# Altium PCB ANGE.PcbDoc (continued)
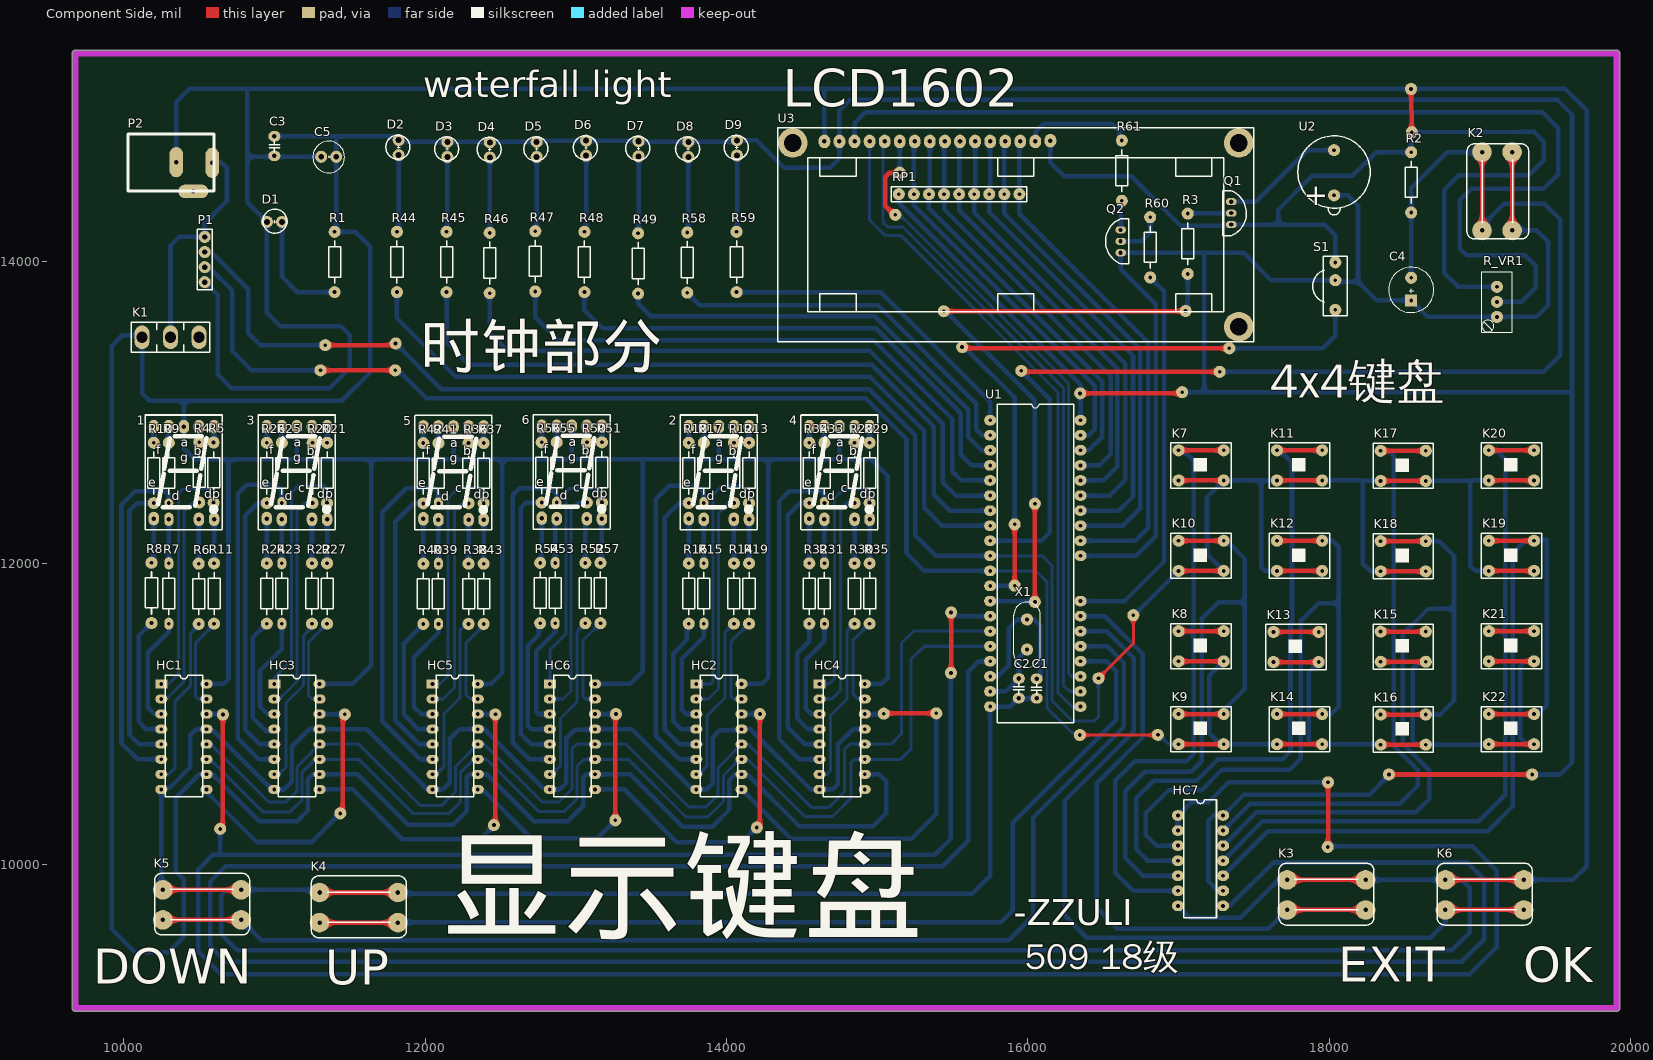
[diagram p0: Component Side view]
## Nets (pads, with @x,y where several pads share a name; then routed paths per layer and width w, separated by ;. In a path a pad name is that pad's centre, name@x,y a point inside that pad or via, vN(x,y) a via of type N, cw(c..) or ccw(c..) an arc to the next point about the centre after c; other vN are vias at no path point)
1S0: HC1.15 R11.1 | length 612.6
  Bottom Layer w20: HC1.15 10495,11100 10478,11117 10478,11474 10600,11596 R11.1
1S1: HC1.1 R5.1 | length 1652.2
  Bottom Layer w20: HC1.1 10299,11200 10363,11264 10363,12464 10393,12494 10553,12494 10597,12450 R5.1
1S2: HC1.2 R4.1 | length 1454.7
  Bottom Layer w20: HC1.2 10284,11100 10402,11218 10402,12349 10446,12393 10491,12393 R4.1
1S3: HC1.3 R7.1 | length 722.5
  Bottom Layer w30: HC1.3 10205,11000 10159,11046 10159,11406 10300,11547 R7.1
1S4: HC1.4 R8.1 | length 860.2
  Bottom Layer w30: R8.1 10099,11518 10099,10952 10151,10900 HC1.4
1S5: HC1.5 R10.1 | length 1905.8
  Bottom Layer w30: R10.1 10089,12400 10039,12350 10039,10863 10102,10800 HC1.5
1S6: HC1.6 R9.1 | length 2307.5
  Bottom Layer w30: HC1.6 10093,10700 9986,10807 9986,12388 10076,12478 10281,12478 10300,12459 R9.1
1S7: HC1.7 R6.1 | length 1120.4
  Bottom Layer w20: HC1.7 10290,10600 ; 10299,10600 10340,10641 10340,11082 10443,11185 10443,11532 10498,11587 R6.1
1S8: HC1.9 HC3.14 pad.22 pad.72 | length 1959.5
  Component Side w30: pad.72 11454,10357 11454,10984 pad.22
  Bottom Layer w30: HC1.9 10550,10483 10882,10151 11248,10151 pad.72 ; HC3.14 11466,11000 pad.22
2S0: HC3.15 R27.1 | length 609.6
  Bottom Layer w20: HC3.15 11250,11100 11228,11122 11228,11478 R27.1
2S1: HC3.1 R21.1 | length 1676.5
  Bottom Layer w20: HC3.1 11000,11242 11115,11357 11115,12470 11163,12518 11326,12518 11350,12494 R21.1
2S2: HC3.2 R20.1 | length 1456.2
  Bottom Layer w20: HC3.2 11035,11100 11151,11216 11151,12349 11202,12400 R20.1
2S3: HC3.3 R23.1 | length 726.9
  Bottom Layer w30: HC3.3 10953,11000 10905,11048 10905,11287 11050,11432 R23.1
2S4: HC3.4 R24.1 | length 846.3
  Bottom Layer w30: R24.1 10858,11508 10858,10974 10943.5,10888.5 10988.5,10888.5 HC3.4
2S5: HC3.5 R26.1 | length 1830
  Bottom Layer w30: R26.1 10891,12400 10807,12316 10807,10897 10904,10800 HC3.5
2S6: HC3.6 R25.1 | length 2336.2
  Bottom Layer w30: HC3.6 10897,10700 10757,10840 10757,12461 10817,12521 11008,12521 11050,12479 R25.1
2S7: HC3.7 R22.1 | length 1121.7
  Bottom Layer w20: HC3.7 11031,10600 11078,10647 11078,11075 11193,11190 11193,11519 11250,11576 R22.1
2S8: HC3.9 HC5.14 pad.24 pad.73 | length 2175.6
  Component Side w30: pad.73 12467,10273 pad.24
  Bottom Layer w30: HC3.9 11519,10500 11849,10170 12366,10170 pad.73@12448,10252 ; HC5.14 12465,11000 pad.24
3S0: HC5.15 R43.1 | length 608.3
  Bottom Layer w20: HC5.15 12301,11100 12271,11130 12271,11469 12389,11587 R43.1
3S1: HC5.1 R37.1 | length 1653.6
  Bottom Layer w20: HC5.1 12100,11200 12152,11252 12152,12430 12224,12502 12357,12502 12389,12470 R37.1
3S2: HC5.2 R36.1 | length 1464.9
  Bottom Layer w20: HC5.2 12120,11100 12196,11176 12196,12351 12234,12389 12280,12389 R36.1
3S3: HC5.3 R39.1 | length 760.8
  Bottom Layer w30: HC5.3 11975,11000 11926,11049 11926,11378 12089,11541 R39.1
3S4: HC5.4 R40.1 | length 886.9
  Bottom Layer w30: R40.1 11858,11467 11858,10998 11956,10900 HC5.4
3S5: HC5.5 R42.1 | length 1866.4
  Bottom Layer w30: R42.1 11925,12398 11803,12276 11803,10959 11962,10800 HC5.5
3S6: HC5.6 R41.1 | length 2349
  Bottom Layer w30: HC5.6 11968,10700 11716,10952 11716,12339 11875,12498 12063,12498 12089,12472 R41.1
3S7: HC5.7 R38.1 | length 1119.8
  Bottom Layer w20: HC5.7 12074,10600 12125,10651 12125,11001 12231,11107 12231,11555 12253,11577 12268,11577 R38.1
3S8: HC5.9 HC6.14 pad.26 pad.74 | length 1937.3
  Component Side w30: pad.74 pad.26@13263,10996
  Bottom Layer w30: HC5.9 12381,10500 12706,10175 13143,10175 pad.74 ; HC6.14 pad.26
4S0: HC6.15 R57.1 | length 620.3
  Bottom Layer w20: HC6.15 13065,11100 13049,11116 13049,11488 R57.1
4S1: HC6.1 R51.1 | length 1644.1
  Bottom Layer w20: HC6.1 12828,11425 12937,11534 12937,12476 12959,12498 13143,12498 13174,12467 R51.1
4S2: HC6.2 R50.1 | length 1491
  Bottom Layer w20: HC6.2 12915,11100 12968,11153 12968,12357 13014,12403 R50.1
4S3: HC6.3 R53.1 | length 737.8
  Bottom Layer w30: HC6.3 12752,11000 12737,11015 12737,11418 12864,11545 R53.1
4S4: HC6.4 R54.1 | length 840.9
  Bottom Layer w30: R54.1 12755,11594 12755,11526 12682,11453 12682,10924 12706,10900 HC6.4@12800,10900
4S5: HC6.5 R56.1 | length 1846.9
  Bottom Layer w30: R56.1 12670,12403 12634,12367 12634,10870 12704,10800 HC6.5@12800,10800
4S6: HC6.6 R55.1 | length 2287.1
  Bottom Layer w30: HC6.6@12800,10700 12692,10700 12583,10809 12583,12455 12625,12497 12834,12497 12874,12457 R55.1
4S7: HC6.7 R52.1 | length 1119
  Bottom Layer w20: HC6.7@12838,10600 HC6.7 12842,10600 12899,10657 12899,10971 13010,11082 13010,11549 R52.1
4S8: HC2.14 HC6.9 pad.28 pad.75 | length 2106.9
  Component Side w30: pad.75@14222,10267 pad.28
  Bottom Layer w30: HC6.9 13321,10500 13671,10150 14102,10150 pad.75@14196,10244 ; HC2.14 pad.28
5S0: HC2.15 R19.1 | length 610.6
  Bottom Layer w20: HC2.15 14047,11100 14029,11118 14029,11479 R19.1
5S1: HC2.1 R13.1 | length 1704.7
  Bottom Layer w20: HC2.1 13896,11200 13911,11215 13911,12455 13972,12516 14094,12516 14150,12460 R13.1
5S2: HC2.2 R12.1 | length 1470.3
  Bottom Layer w20: HC2.2 13881,11100 13948,11167 13948,12331 14017,12400 R12.1
5S3: HC2.3 R15.1 | length 740.6
  Bottom Layer w30: HC2.3 13734,11000 13702,11032 13702,11363 13850,11511 R15.1
5S4: HC2.4 R16.1 | length 864
  Bottom Layer w30: R16.1 13738,11588 13738,11492 13647,11401 13647,10954 13701,10900 HC2.4
5S5: HC2.5 R18.1 | length 1854.1
  Bottom Layer w30: R18.1 13686,12400 13592,12306 13592,10897 13689,10800 HC2.5
5S6: HC2.6 R17.1 | length 2347.3
  Bottom Layer w30: HC2.6 13688,10700 13531,10857 13531,12425 13620,12514 13808,12514 13850,12472 R17.1
5S7: HC2.7 R14.1 | length 1139.5
  Bottom Layer w20: HC2.7@13826,10600 HC2.7 13817,10600 13870,10653 13870,10987 13989,11106 13989,11539 R14.1
5S8: HC2.9 HC4.14 pad.30 pad.76 | length 2639
  Component Side w30: pad.30@15046.41,11005 pad.76
  Bottom Layer w30: HC2.9 14426,10174 15229,10174 15391,10336 pad.76@15391,10997 ; HC4.14 14913,10995 14918.27,10995.31 pad.30
6S0: HC4.15 R35.1 | length 604
  Bottom Layer w20: HC4.15 14872,11100 14841,11131 14841,11491 R35.1
6S1: HC4.1 R29.1 | length 1645.1
  Bottom Layer w20: HC4.1 14683,11200 14717,11234 14717,12430 14779,12492 14925,12492 14950,12467 R29.1
6S2: HC4.2 R28.1 | length 1476.9
  Bottom Layer w20: HC4.2 14699,11100 14756,11157 14756,12363 14793,12400 R28.1
6S3: HC4.3 R31.1 | length 719.4
  Bottom Layer w30: HC4.3 14564,11000 14528,11036 14528,11361 14650,11483 R31.1
6S4: HC4.4 R32.1 | length 839.5
  Bottom Layer w30: R32.1 14550,11483 14470,11403 14470,10971 14541,10900 HC4.4
6S5: HC4.5 R34.1 | length 1840.9
  Bottom Layer w30: R34.1 14487,12400 14407,12320 14407,10913 14520,10800 HC4.5
6S6: HC4.6 R33.1 | length 2300.9
  Bottom Layer w30: HC4.6 14484,10700 14349,10835 14349,12411 14417,12479 14636,12479 14650,12465 R33.1
6S7: HC4.7 R30.1 | length 1124.8
  Bottom Layer w20: HC4.7 14667,10600 14692,10625 14692,10990 14799,11097 14799,11549 R30.1
595SHCLK: HC1.11 HC2.11 HC3.11 HC4.11 HC5.11 HC6.11 U1.16 | length 7953.7
  Bottom Layer w20: HC1.11 10574,10700 10923,10351 11106,10351 11185,10430 11185,10614 11271,10700 HC3.11 11561,10700 11922,10339 12158,10339 12237,10418 12237,10614 12323,10700 HC5.11 12408,10700 12754,10354 12924,10354 13009.66,10439.66 13009.66,10654.66 13055,10700 HC6.11 13349,10700 13732,10317 13877,10317 13980,10420 13980,10593 14087,10700 HC2.11 14140,10700 14520,10320 14704,10320 14828,10444 14828,10679 14849,10700 HC4.11 15157,10700 15224,10767 15224,11362 15312,11450 U1.16
595SLCLK: HC1.12 HC2.12 HC3.12 HC4.12 HC5.12 HC6.12 U1.15 | length 8148.4
  Bottom Layer w20: HC1.12 10579,10800 10961,10418 11080,10418 11152,10490 11152,10652 HC3.12 11560,10800 11966,10394 12111,10394 12202,10485 12202,10652 HC5.12 12393,10800 12777,10416 12889,10416 12976,10503 12976,10770 13006,10800 HC6.12 13333,10800 13751,10382 13863,10382 13945,10464 13945,10645 HC2.12 14145,10800 14566,10379 14678,10379 14784,10485 14784,10765 14819,10800 HC4.12 15093,10800 15162,10869 15162,11471 15241,11550 U1.15
END: C1.2 C2.2 C3.2 C5.2 D1.2 HC1.8 HC1.13 HC2.8 HC2.13 HC3.8 HC3.13 HC4.8 HC4.13 HC5.8 HC5.13 HC6.8 HC6.13 HC7.7 K3.2 K4.2 K5.2 K6.2 P1.4 P2.3 pad.65 pad.66 Q1.3 R2.1 R_VR1.3 S1.1 U1.20 U3.1 U3.16 | length 53598.6
  Component Side w30: K5.2@10260,9834 K5.2@10780,9834 ; K4.2@11300,9816 K4.2@11820,9816 ; K3.2@17721,9900 K3.2@18241,9900 ; pad.65 pad.66 ; K6.2@18771,9900 K6.2@19291,9900
  Bottom Layer w30: K5.2@10255,9842 10250,9847 HC1.8 10259,10509 10304,10509 10441,10646 10441,10859 10482,10900 HC1.13 10584,10900 10984,10500 HC3.8 11065,10500 11116,10551 11116,10784 11232,10900 HC3.13 11614,10900 12014,10500 HC5.8 12120,10500 12165,10545 12165,10836 12229,10900 HC5.13 12360,10910 12382,10910 12788,10504 12824,10504 HC6.8 12894,10500 12937,10543 12937,10839 12994,10896 13124,10896 HC6.13 13373,10900 13773,10500 HC2.8 13869,10500 13909,10540 13909,10847 13956,10894 HC2.13@14094,10894 ; P2.3 10349,15061 10436,15148 pad.65 19567,15148 19708,15007 19708,9990 19618,9900 K6.2@19291,9900 ; P1.4 10626,13778 10626,13251 10716,13161 11366,13161 11499,13294 11499,13516 11440,13575 11040,13575 10951,13664 D1.2 10821,14396 10821,14698 ; 10821,15141 10821,14698 ; K4.2@11282,9834 10780,9834 10684,9834 10649,9799 10649,9536 10753,9432 18814,9432 18933,9551 18933,9847 18880,9900 18771,9900 K3.2@18241,9900 ; C5.2@11310,14698 10821,14698 ; K4.2@11820,9816 11827,9809 15631,9809 15750,9928 U1.20 15884,11050 15938,11104 C1.2 ; K4.2@11825,9842 K4.2@11832,9835 ; HC2.13 14158,10900 14558,10500 HC4.8 14706,10500 14739,10533 14739,10798 14841,10900 HC4.13 ; U3.1 14650,15140 ; U3.16 16150,14659 16241,14568 16686,14568 17015,14239 17341,14239 Q1.3 17663,14248 ; HC7.7 17076,9647 17410,9647 17663,9900 K3.2@17721,9900 ; S1.1 18040.63,14177.37 17970,14248 17663,14248 ; R_VR1.3 18856,13835 18762,13929 18762,14477 18860,14575 19323,14575 19424,14676 19424,14798 19359.4,14862.6 19264,14862.6 pad.66 18544,14857 R2.1 18311,14728 18154,14571 17886,14571 17663,14348 17663,14248
Net1_1: 1.1 R10.2 | length 107.5
  Bottom Layer w30: R10.2 1.1
Net1_2: 1.2 R9.2 | length 107.5
  Bottom Layer w30: R9.2 1.2
Net1_4: 1.4 R4.2 | length 101.5
  Bottom Layer w30: R4.2@10500,12806 1.4
Net1_5: 1.5 R5.2 | length 102.5
  Bottom Layer w30: R5.2@10600,12805 1.5
Net1_6: 1.6 R8.2 | length 299.7
  Bottom Layer w30: R8.2 10200,12019 1.6
Net1_7: 1.7 R7.2 | length 292.5
  Bottom Layer w30: R7.2 1.7
Net1_9: 1.9 R6.2 | length 292.5
  Bottom Layer w30: R6.2@10500,12000 1.9
Net1_10: 1.10 R11.2 | length 292.5
  Bottom Layer w30: R11.2 1.10
Net2_1: 2.1 R18.2 | length 107.5
  Bottom Layer w30: R18.2 2.1
Net2_2: 2.2 R17.2 | length 107.5
  Bottom Layer w30: R17.2 2.2
Net2_4: 2.4 R12.2 | length 107.5
  Bottom Layer w30: R12.2 2.4
Net2_5: 2.5 R13.2 | length 107.5
  Bottom Layer w30: R13.2 2.5
Net2_6: 2.6 R16.2 | length 297.5
  Bottom Layer w30: R16.2 2.6
Net2_7: 2.7 R15.2 | length 292.5
  Bottom Layer w30: R15.2 2.7
Net2_9: 2.9 R14.2 | length 292.5
  Bottom Layer w30: R14.2 2.9
Net2_10: 2.10 R19.2 | length 292.5
  Bottom Layer w30: R19.2 2.10
Net3_1: 3.1 R26.2 | length 107.5
  Bottom Layer w30: R26.2 3.1
Net3_2: 3.2 R25.2 | length 107.5
  Bottom Layer w30: R25.2 3.2
Net3_4: 3.4 R20.2 | length 103.5
  Bottom Layer w30: R20.2@11250,12804 3.4
Net3_5: 3.5 R21.2 | length 107.5
  Bottom Layer w30: R21.2 3.5
Net3_6: 3.6 R24.2 | length 297.5
  Bottom Layer w30: R24.2 3.6
Net3_7: 3.7 R23.2 | length 292.5
  Bottom Layer w30: R23.2 3.7
Net3_9: 3.9 R22.2 | length 292.5
  Bottom Layer w30: R22.2 3.9
Net3_10: 3.10 R27.2 | length 292.5
  Bottom Layer w30: R27.2 3.10
Net4_1: 4.1 R34.2 | length 107.5
  Bottom Layer w30: R34.2 4.1
Net4_2: 4.2 R33.2 | length 107.5
  Bottom Layer w30: R33.2 4.2
Net4_4: 4.4 R28.2 | length 107.5
  Bottom Layer w30: R28.2 4.4
Net4_5: 4.5 R29.2 | length 107.5
  Bottom Layer w30: R29.2 4.5
Net4_6: 4.6 R32.2 | length 297.5
  Bottom Layer w30: R32.2 4.6
Net4_7: 4.7 R31.2 | length 292.5
  Bottom Layer w30: R31.2 4.7
Net4_9: 4.9 R30.2 | length 292.5
  Bottom Layer w30: R30.2 4.9
Net4_10: 4.10 R35.2 | length 292.5
  Bottom Layer w30: R35.2 4.10
Net5_1: 5.1 R42.2 | length 107.5
  Bottom Layer w30: R42.2 5.1
Net5_2: 5.2 R41.2 | length 107.5
  Bottom Layer w30: R41.2 5.2
Net5_4: 5.4 R36.2 | length 107.5
  Bottom Layer w30: R36.2 5.4
Net5_5: 5.5 R37.2 | length 107.5
  Bottom Layer w30: R37.2 5.5
Net5_6: 5.6 R40.2 | length 297.5
  Bottom Layer w30: R40.2 5.6
Net5_7: 5.7 R39.2 | length 292.5
  Bottom Layer w30: R39.2 5.7
Net5_9: 5.9 R38.2 | length 292.5
  Bottom Layer w30: R38.2 5.9
Net5_10: 5.10 R43.2 | length 292.5
  Bottom Layer w30: R43.2 5.10
Net6_1: 6.1 R56.2 | length 107.5
  Bottom Layer w30: R56.2 6.1
Net6_2: 6.2 R55.2 | length 107.5
  Bottom Layer w30: R55.2 6.2
Net6_4: 6.4 R50.2 | length 107.5
  Bottom Layer w30: R50.2 6.4
Net6_5: 6.5 R51.2 | length 107.5
  Bottom Layer w30: R51.2 6.5
Net6_6: 6.6 R54.2 | length 287.5
  Bottom Layer w30: R54.2@12774,12013 6.6
Net6_7: 6.7 R53.2 | length 282.5
  Bottom Layer w30: R53.2 6.7@12864,12285.5
Net6_9: 6.9 R52.2 | length 282.5
  Bottom Layer w30: R52.2 6.9@13064,12285.5
Net6_10: 6.10 R57.2 | length 282.5
  Bottom Layer w30: R57.2@13174,12013 6.10
NetC1_1: C1.1 U1.18 X1.1 | length 1015.4
  Bottom Layer w30: U1.18 15802,11250 15872,11320 15872,11568 15932,11628 X1.1 16043,11628 16083,11588 16083,11258 C1.1
NetC2_1: C2.1 U1.19 X1.2 | length 440.4
  Bottom Layer w30: U1.19 15854,11150 C2.1 15940,11373 X1.2
NetC4_2: C4.2 K2.1 pad.48 pad.53 R2.2 U1.9 | length 8405.3
  Component Side w30: pad.53@15983,13271 pad.48 ; K2.1@19014,14209 K2.1@19014,14729
  Bottom Layer w30: U1.9 16091,12150 16146,12205 16146,13088 pad.53 ; pad.48 19422,13271 19533,13382 19533,14282 19428,14387 19160,14387 19014,14241 K2.1@19014,14209 ; C4.2 R2.2 18544,14491 18782,14729 K2.1@19014,14729
NetD1_1: D1.1 R1.1 | length 755.8
  Bottom Layer w30: D1.1 11051,13901 11152,13800 R1.1
NetD2_2: D2.2 R44.2 | length 513
  Bottom Layer w30: R44.2 11826,14212 D2.2@11826,14708
NetD3_2: D3.2 R45.2 | length 499.9
  Bottom Layer w30: R45.2 12149,14206 12149,14696 D3.2
NetD4_2: D4.2 R46.2 | length 499.4
  Bottom Layer w30: D4.2 12431,14693 R46.2@12431,14195
NetD5_2: D5.2 R47.2 | length 497.6
  Bottom Layer w30: R47.2 12742,14214 12742,14696 D5.2
NetD6_2: D6.2 R48.2 | length 493.4
  Bottom Layer w30: D6.2 13070,14704 R48.2@13070,14212
NetD7_2: D7.2 R49.2 | length 507.4
  Bottom Layer w30: D7.2 13418,14700 R49.2@13418,14194
NetD8_2: D8.2 R58.2 | length 493.4
  Bottom Layer w30: D8.2 13748,14696 R58.2@13748,14204
NetD9_2: D9.2 R59.2 | length 503.4
  Bottom Layer w30: D9.2 14071,14706 R59.2@14071,14204
NetHC1_14: HC1.14 HC7.1 HC7.2 pad.18 pad.20 pad.21 pad.67 pad.68 pad.71 U1.14 | length 20568.9
  Component Side w30: pad.71 10659,10256 pad.18 ; pad.21 15491,11274 pad.20 ; pad.68@17992,10120 pad.67
  Bottom Layer w30: HC1.14 pad.18@10656,11000 ; pad.71@10616,10247 pad.71 10641,10082 10625,10066 ; pad.20@15484,11681 pad.20 15515,11650 U1.14 ; pad.21 15490,10174 15382,10066 10625,10066 ; HC7.2 HC7.1 17084,10415 17199,10415 17333,10549 17999,10549 pad.67@18006,10556 ; pad.68 17996,10124 18893,10124 ; 18887,10122 18951,10122 19111,9962 19111,9454 18931,9274 10645,9274 10496.5,9422.5 10496.5,9970.5 10592,10066 10625,10066
NetHC7_8: HC7.8 U1.17 | length 17719.1
  Bottom Layer w30: U1.17 15673,11350 15605,11282 15605,10160 15436,9991 10676,9991 10574,9889 10574,9461 10677,9358 18880,9358 19028,9506 19028,9903 18916,10015 17629,10015 17341,9727 HC7.8
NetK1_2: K1.2 P1.1 P2.1 | length 1491
  Bottom Layer w30: K1.2 10311.02,14109.02 10368,14166 P1.1 10538,14258 10686,14406 10686,14624 10652,14658 P2.1
NetK3_1: K3.1 U1.27 | length 4220.1
  Component Side w30: K3.1@17721,9700 K3.1@18241,9700
  Bottom Layer w30: U1.27 16510,11650 16764,11396 16764,10848 16457,10541 16457,9714 16594,9577 17598,9577 K3.1@17721,9700
NetK4_1: K4.1 U1.24 | length 6773.8
  Component Side w30: K4.1@11300,9616 K4.1@11820,9616
  Bottom Layer w30: K4.1@11820,9631 11833,9618 15822,9618 15901,9697 15901,10278 16586,10963 16586,11285 16521,11350 U1.24
NetK5_1: K5.1 U1.25 | length 8160.4
  Component Side w30: K5.1@10260,9634 K5.1@10780,9634
  Bottom Layer w30: K5.1@10780,9634 10915,9499 15874,9499 16036,9661 16036,10314 16638,10916 16638,11339 16527,11450 U1.25
NetK6_1: K6.1 U1.26 | length 5557.8
  Component Side w30: K6.1@18771,9700 K6.1@19291,9700
  Bottom Layer w30: U1.26 16524,11550 16702,11372 16702,10884 16244,10426 16244,9664 16392,9516 18672,9516 18771,9615 K6.1@18771,9700
NetK7_1: K7.1 K7.2 K10.1 K10.2 K11.1 K11.2 K12.1 K12.2 K17.1 K17.2 K18.1 K18.2 K19.1 K19.2 K20.1 K20.2 P1.2 pad.14 pad.15 pad.38 pad.40 U1.10 | length 15839.4
  Component Side w20: pad.15 16700,11468 pad.14
  Component Side w30: pad.38 pad.40@11789,13448 ; K10.2 K10.1 ; K7.2 K7.1 ; K12.2 K12.1 ; K11.2 K11.1 ; K18.2 K18.1 ; K17.2 K17.1 ; K19.2 K19.1 ; K20.2 K20.1
  Bottom Layer w20: U1.10 16095,12050 16162,11983 16162,11086 16293,10955 16442,10955 16469,10982 pad.15
  Bottom Layer w30: P1.2@10540,14068 P1.2 10581,14066 10828,13819 10828,13528 10908,13448 pad.38 ; pad.40 12108,13156 14948,13156 15253,12851 15253,12186 15389,12050 U1.10 ; pad.14@16694,11648 16698,11648 K10.2 ; K10.1 17189,12061 17189,12439 K7.1 17548,12550 ; K12.2 17573,11950 17548,11975 17548,12550 ; K11.2 17548,12550 ; K11.1 18220,12550 ; K18.2 18274,11947 18223,11998 18223,12547 K17.2 ; K17.1 18934,12547 18937,12550 ; K19.2 18969,11950 18937,11982 18937,12550 ; K20.2 18937,12550
NetK8_1: K8.1 K8.2 K9.1 K9.2 K13.1 K13.2 K14.1 K14.2 K15.1 K15.2 K16.1 K16.2 K21.1 K21.2 K22.1 K22.2 P1.3 pad.12 pad.13 pad.39 pad.41 U1.11 | length 15133.5
  Component Side w20: pad.12 pad.13@16862,10861
  Component Side w30: pad.39@11345,13281 pad.41 ; K9.2 K9.1 ; K8.2 K8.1 ; K13.2 K13.1 ; K14.2 K14.1 ; K16.2 K16.1 ; K15.2 K15.1 ; K22.2 K22.1 ; K21.2 K21.1
  Bottom Layer w20: U1.11 16054,11950 16126,11878 16126,11042 16295.84,10872.16 pad.12 ; pad.13@16863,10870 16933,10800 K9.2
  Bottom Layer w30: P1.3@10552,13980 P1.3 10564,13966 10722,13808 10722,13408 10849,13281 pad.39 ; pad.41@11816,13289 12010,13095 14923,13095 15195,12823 15195,12066 15311,11950 U1.11 ; K8.1 17204,11254 17204,10872 17276,10800 K9.1 K14.2 ; K13.1 17863,11278 17863,10823 17886,10800 K14.1 18338,10800 K16.2 ; K15.1 18631,11337 18591,11337 18555,11301 18555,10820 18578,10797 K16.1 19056,10797 K22.2 ; K22.1 19358,10801 19309,10801 19269,10841 19269,11318 19301,11350 K21.1
NetQ1_1: Q1.1 U2.2 | length 823.7
  Bottom Layer w30: Q1.1 17512,14400 17854,14742 U2.2
NetQ1_2: Q1.2 R3.2 | length 291.7
  Bottom Layer w30: R3.2@17064,14324 Q1.2 Q1.2@17346,14320
NetQ2_2: Q2.2 R60.2 | length 320.9
  Bottom Layer w30: Q2.2 16752,14137 16812,14197 R60.2
NetQ2_3: Q2.3 R61.2 | length 196.3
  Bottom Layer w30: Q2.3 16616,14398 R61.2
NetR3_1: pad.44 pad.47 pad.54 pad.55 R3.1 U1.13 | length 4353.3
  Component Side w30: pad.55 pad.54@17045,13673 ; pad.44 pad.47
  Bottom Layer w30: pad.55@15441,13685 15453,13685 15476,13662 15476,13653 16047,13082 pad.47 ; U1.13 16041,11750 pad.44 ; pad.54 17061,13689 R3.1
NetR44_1: R44.1 U1.8 | length 4978.1
  Bottom Layer w30: R44.1 11814,13626 12203,13237 14953,13237 15312,12878 15312,12369 15431,12250 U1.8
NetR45_1: R45.1 U1.7 | length 4666.3
  Bottom Layer w30: R45.1 12143,13470 12294,13319 14965,13319 15376,12908 15376,12455 15481,12350 U1.7
NetR46_1: R46.1 U1.6 | length 4259.8
  Bottom Layer w30: R46.1 12429,13529 12546,13412 14949,13412 15435,12926 15435,12537 15522,12450 U1.6
NetR47_1: R47.1 U1.5 | length 3839.7
  Bottom Layer w30: R47.1 12732,13634 12887,13479 14977,13479 15498,12958 15498,12612 15560,12550 U1.5
NetR48_1: R48.1 U1.4 | length 3400.3
  Bottom Layer w30: R48.1 13058,13680 13178,13560 14990,13560 15554,12996 15554,12720 15624,12650 U1.4
NetR49_1: R49.1 U1.3 | length 2912.6
  Bottom Layer w30: R49.1 13414,13723 13497,13640 14985,13640 15605,13020 15605,12838 15693,12750 U1.3
NetR58_1: R58.1 U1.2 | length 2502
  Bottom Layer w30: R58.1 13824,13712 15006,13712 15658,13060 15658,12889 15697,12850 U1.2
NetR59_1: R59.1 U1.1 | length 2107.1
  Bottom Layer w30: R59.1 15023,13800 15750,13073 U1.1
NetR60_1: R60.1 U1.28 | length 2585.6
  Bottom Layer w30: U1.28 16642,11750 16904,12012 16904,13805 R60.1
NetR61_1: R61.1 U3.15 | length 729.9
  Bottom Layer w30: U3.15 16050,14862 16105,14917 16556,14917 16609,14864 16609,14821 R61.1
NetR_VR1_2: R_VR1.2 U3.3 | length 7205.7
  Bottom Layer w30: U3.3 14850,14921 14922,14993 19415,14993 19520,14888 19520,14583 19422,14485 18943,14485 18867,14409 18867,14088 18912,14043 19301,14043 19369,13975 19369,13828 19276,13735 R_VR1.2
NetRP1_2: RP1.2 U1.39 U3.7 | length 2519.3
  Bottom Layer w30: U3.7 15244,14794 RP1.2 15244,14377 16443,13178 16443,12889 16404,12850 U1.39
NetRP1_3: RP1.3 U1.38 U3.8 | length 2611
  Bottom Layer w30: RP1.3 15344,14356 16494,13206 16494,12841 16403,12750 U1.38 ; RP1.3@15350,14456 U3.8
NetRP1_4: RP1.4 U1.37 U3.9 | length 2757.9
  Bottom Layer w30: U3.9@15444,14794 RP1.4 15444,14351 16549,13246 16549,12723 16476,12650 U1.37
NetRP1_5: RP1.5 U1.36 U3.10 | length 2868.4
  Bottom Layer w30: U3.10@15544,14794 RP1.5 15544,14343 16594,13293 16594,12643 16501,12550 U1.36
NetRP1_6: RP1.6 U1.35 U3.11 | length 2994.7
  Bottom Layer w30: RP1.6 15644,14328 16646,13326 16646,12553 16543,12450 U1.35 ; RP1.6@15650,14456 U3.11
NetRP1_7: RP1.7 U1.34 U3.12 | length 3140.6
  Bottom Layer w30: U3.12 15750,14456 RP1.7 15744,14332 16698,13378 16698,12444 16604,12350 U1.34
NetRP1_8: RP1.8 U1.33 U3.13 | length 3245.7
  Bottom Layer w30: U3.13@15844,14794 RP1.8 15844,14322 16746,13420 16746,12366 16630,12250 U1.33
NetRP1_9: RP1.9 U1.32 U3.14 | length 3396.8
  Bottom Layer w30: U3.14@15944,14794 RP1.9 15944,14321 16799,13466 16799,12236 16713,12150 U1.32
NetS1_3: pad.43 pad.46 pad.49 pad.52 S1.3 U1.12 | length 4600.4
  Component Side w30: pad.52@15566,13424 15569,13427 pad.49 ; pad.43 pad.46
  Bottom Layer w30: pad.52 15579,13435 15913,13101 pad.46 ; U1.12 pad.43@15932,11850 ; pad.49 17957,13427 18040.63,13510.63 S1.3
NetU1_21: U1.21 U3.4 | length 4426
  Bottom Layer w20: U3.4 14950,14278 15051,14177 15157,14177 16200,13134 16200,11142 16292,11050 U1.21
NetU1_22: U1.22 U3.5 | length 4298.6
  Bottom Layer w20: U3.5 15038,14788 15038,14264 15069,14233 15168,14233 16236,13165 16236,11192 16278,11150 U1.22
NetU1_23: pad.2 pad.3 U1.23 U3.6 | length 4252.9
  Component Side w30: pad.2 15094,14332 15053,14373 15053,14563 15081,14591 15148,14591 pad.3
  Bottom Layer w20: pad.2@15152,14313 16270,13195 16270,11269 16289,11250 U1.23
  Bottom Layer w30: pad.2 pad.2@15151,14313 ; pad.3@15150,14571 pad.3 U3.6 ; U1.23@16344,11256 U1.23
Q0: HC7.3 K12.3 K12.4 K14.3 K14.4 | length 4699
  Component Side w30: K14.3 K14.4 ; K12.3 K12.4
  Bottom Layer w30: HC7.3 16854,10127 16781,10200 16781,10341 16933,10493 17150,10493 17289,10632 17738,10632 17811,10705 17811,11618 17929,11736 18063,11736 ; K14.4 18013,11000 18063,11050 18063,11736 ; K12.4 17954,12151 18022,12151 18063,12110 18063,11736
Q1: HC7.4 K11.3 K11.4 K13.3 K13.4 | length 4568.9
  Component Side w30: K13.3 K13.4 ; K11.3 K11.4
  Bottom Layer w30: HC7.4 16796,10027 16718,10105 16718,10441 16835,10558 17119,10558 17262,10701 17692,10701 17743,10752 17743,11549 ; K13.3 17739,11545 17743,11549 ; K11.3 17671,12750 17753,12668 17753,11614 17743,11604 17743,11549
Q2: HC7.5 K9.3 K9.4 K10.3 K10.4 | length 4648.8
  Component Side w30: K9.3 K9.4 ; K10.3 K10.4
  Bottom Layer w30: HC7.5@16995,9928 HC7.5 16764,9927 16646,10045 16646,10488 16776,10618 17085,10618 17155,10688 17155,11632 17265,11742 17438,11742 ; K9.4 17274,11000 17438,11164 17438,11742 ; K10.4 17300,12170 17438,12032 17438,11742
Q3: HC7.6 K7.3 K7.4 K8.3 K8.4 | length 4446.1
  Component Side w30: K8.3 K8.4 ; K7.3 K7.4
  Bottom Layer w30: HC7.6 16699,9827 16581,9945 16581,10559 16708,10686 17053,10686 17100,10733 17100,11550 ; K8.3 17100,11550 ; K7.3 17032,12750 17100,12682 17100,11550
Q4: HC7.10 K19.3 K19.4 K22.3 K22.4 | length 5858.7
  Component Side w30: K22.3 K22.4 ; K19.3 K19.4
  Bottom Layer w30: HC7.10 17591,10222 19051,10222 19219,10390 19219,12068 19301,12150 K19.4 19365,12156 19443,12156 19443,11059 19384,11000 K22.4
Q5: HC7.11 K20.3 K20.4 K21.3 K21.4 | length 5126
  Component Side w30: K21.3 K21.4 ; K20.3 K20.4
  Bottom Layer w30: HC7.11 17557,10288 18993,10288 19169,10464 19169,11550 ; K21.3 19169,11550 ; K20.3 19063,12746 19115,12746 19169,12692 19169,11550
Q6: HC7.12 K16.3 K16.4 K18.3 K18.4 | length 5084
  Component Side w30: K16.3 K16.4 ; K18.3 K18.4
  Bottom Layer w30: HC7.12 17517,10348 18575,10348 18663,10436 18663,10628 18488,10803 18488,11529 18659,11700 18828,11700 ; K16.4 18736,10997 18828,11089 18828,11700 ; K18.4 18730,12147 18828,12049 18828,11700
Q7: HC7.13 K15.3 K15.4 K17.3 K17.4 | length 4466.6
  Component Side w30: K15.3 K15.4 ; K17.3 K17.4
  Bottom Layer w30: HC7.13 17474,10405 18468,10405 18589,10526 18589,10628 18429,10788 18429,11561 ; K15.3 18415,11547 18429,11561 ; K17.3 18396,12747 18429,12714 18429,11561
VCC: 1.3 2.3 3.3 4.3 5.3 6.3 C3.1 C4.1 C5.1 D2.1 D3.1 D4.1 D5.1 D6.1 D7.1 D8.1 D9.1 HC1.10 HC1.16 HC2.10 HC2.16 HC3.10 HC3.16 HC4.10 HC4.16 HC5.10 HC5.16 HC6.10 HC6.16 HC7.9 HC7.14 K1.3 K2.2 pad.16 pad.17 pad.69 pad.70 Q2.1 R1.2 R_VR1.1 RP1.1 S1.2 U1.31 U1.40 U2.1 U3.2 | length 62416.4
  Component Side w30: pad.16 pad.17@17019,13128 ; pad.69 pad.70 ; K2.2@19214,14209 K2.2@19214,14729
  Bottom Layer w30: HC1.16 10663,11200 10696,11233 10696,12690 ; C3.1@11034,14834 11421,14834 ; 11150,12693 3.3 ; HC3.16 11519,11200 11643,11324 11643,12690 ; R1.2 11536,14200 11636,14100 11636,13266 11448,13078 10400,13078 ; R1.2@11411,14211 C5.1 11411,14824 11421,14834 ; 12189,12694 5.3 ; HC5.16 12438,11200 12511,11273 12511,12690 ; 6.3 12974,12690 ; HC6.16 13362,11200 13445,11283 13445,12689 13444,12690 ; 13950,12691 2.3 ; HC2.16 14236,11200 14279,11243 14279,12690 ; 4.3 14750,12701 14739,12690 ; HC4.10 15014,10600 15060,10554 15060,10343 14974,10257 14482,10257 14139,10600 HC2.10 14057,10600 14020,10563 14020,10367 13906,10253 13709,10253 13362,10600 HC6.10 13069,10600 13050,10581 13050,10392 12947,10289 12721,10289 12410,10600 HC5.10 12297,10600 12278,10581 12278,10357 12188,10267 11885,10267 11552,10600 HC3.10 11254,10600 11223,10569 11223,10360 11152,10289 10901,10289 10590,10600 HC1.10 10502,10600 10347,10445 10347,9956 10400,9903 10400,9521 10298,9419 10076,9419 9921,9574 9921,13442 9992,13513 10109.05,13513 K1.3 10122.05,13129.95 10174,13078 10400,13078 ; HC4.16 15028,11200 15070,11242 15070,12580 14960,12690 14739,12690 ; RP1.1 15144,14392 16350,13186 U1.40 ; U1.31 16718,12050 16848,12180 16848,13720 16616,13952 Q2.1 17432,14061 17614,13879 S1.2 18051.63,13868 18191,13868 ; pad.17 17172,13136 ; 17172,14050 17172,13136 ; HC7.9 17263,9827 17198,9892 17198,10293 17232,10327 HC7.14 17435,10466 18269,10466 18386,10583 pad.69@18392,10583 ; U2.1 18123,14442 18191,14374 18191,13868 ; K2.2@19214,14209 19377,14209 19453,14133 19453,13714 19374,13635 R_VR1.1 18654,13635 C4.1 18314,13745 18191,13868 ; pad.70@19340,10592 pad.70 19534,10599 19611,10676 19611,14979 19515,15075 14820,15075 14750,15005 U3.2 14750,14688 14686,14624 14383,14624 14200,14807 D9.1 14060,14797 D8.1 13421,14797 D7.1 13413,14805 D6.1 12749,14805 D5.1 D3.1 11837,14797 D2.1 11800,14834 11421,14834 ; 19603,13136 17172,13136 ; 10400,13078 1.3 10400,12763 10473,12690 10696,12690 ; 10696,12690 11643,12690 ; 11643,12690 12511,12690 ; 12511,12690 12974,12690 ; 12974,12690 13444,12690 ; 13444,12690 14279,12690 ; 14279,12690 14739,12690
pads on no net: HC4.9 K1.1 P2.2 U3.0

## Keep-outs
Keep-Out Layer:
  lines w40: 9679,9048 19908,9048 19908,15385 9679,15385 9679,9048

## Silkscreen, mask and mechanical layers (free items; w line width, h text height)
Top Overlay:
  text "waterfall light" at 11987,15034 h300
  text "LCD1602" at 14375,15030 h250
  text "时钟部分" at 11971,13202 h500
  text "4x4键盘" at 17604,13023 h400
  text "-ZZULI" at 15906,9540 h300
  text "显示键盘" at 12110,9383 h1000
  text "509 18级" at 15978,9247 h300
  text "EXIT" at 18061,9147 h400
  text "OK" at 19287,9145 h400
  text "DOWN" at 9800,9133 h400
  text "UP" at 11337,9127 h400

## Text inside footprints (layer, text, board x,y; h text height)
1: Top Overlay "c" at 10410,12473.5 h60; Top Overlay "dp" at 10534,12431.5 h60; Top Overlay "e" at 10165,12508.5 h60; Top Overlay "d" at 10320,12418.5 h60; Top Overlay "a" at 10380,12773.5 h60; Top Overlay "g" at 10375,12673.5 h60; Top Overlay "b" at 10465,12718.5 h60; Top Overlay "f" at 10215,12723.5 h60
2: Top Overlay "c" at 13960,12473.5 h60; Top Overlay "dp" at 14084,12431.5 h60; Top Overlay "e" at 13715,12508.5 h60; Top Overlay "d" at 13870,12418.5 h60; Top Overlay "a" at 13930,12773.5 h60; Top Overlay "g" at 13925,12673.5 h60; Top Overlay "b" at 14015,12718.5 h60; Top Overlay "f" at 13765,12723.5 h60
3: Top Overlay "c" at 11160,12473.5 h60; Top Overlay "dp" at 11284,12431.5 h60; Top Overlay "e" at 10915,12508.5 h60; Top Overlay "d" at 11070,12418.5 h60; Top Overlay "a" at 11130,12773.5 h60; Top Overlay "g" at 11125,12673.5 h60; Top Overlay "b" at 11215,12718.5 h60; Top Overlay "f" at 10965,12723.5 h60
4: Top Overlay "c" at 14760,12473.5 h60; Top Overlay "dp" at 14884,12431.5 h60; Top Overlay "e" at 14515,12508.5 h60; Top Overlay "d" at 14670,12418.5 h60; Top Overlay "a" at 14730,12773.5 h60; Top Overlay "g" at 14725,12673.5 h60; Top Overlay "b" at 14815,12718.5 h60; Top Overlay "f" at 14565,12723.5 h60
5: Top Overlay "c" at 12199,12471.5 h60; Top Overlay "dp" at 12323,12429.5 h60; Top Overlay "e" at 11954,12506.5 h60; Top Overlay "d" at 12109,12416.5 h60; Top Overlay "a" at 12169,12771.5 h60; Top Overlay "g" at 12164,12671.5 h60; Top Overlay "b" at 12254,12716.5 h60; Top Overlay "f" at 12004,12721.5 h60
6: Top Overlay "c" at 12984,12476.5 h60; Top Overlay "dp" at 13108,12434.5 h60; Top Overlay "e" at 12739,12511.5 h60; Top Overlay "d" at 12894,12421.5 h60; Top Overlay "a" at 12954,12776.5 h60; Top Overlay "g" at 12949,12676.5 h60; Top Overlay "b" at 13039,12721.5 h60; Top Overlay "f" at 12789,12726.5 h60
U2: Top Overlay "+" at 17992,14547 h240 r180